# Altium PCB PCB_15122020_01BC.PcbDoc (part 3 of 9)
Units mm, origin at the board's own origin, x right, y up, seen from the top; angles counter-clockwise.
Board outline 207.9 x 131.1 mm, 4 copper layers (Top Layer, Layer 1, Layer 2, Bottom Layer), stack 1.57 mm thick; 684 components, 706 nets, 2796 pads, 1697 vias.
Unrouted connection lines stored in the file: 3.
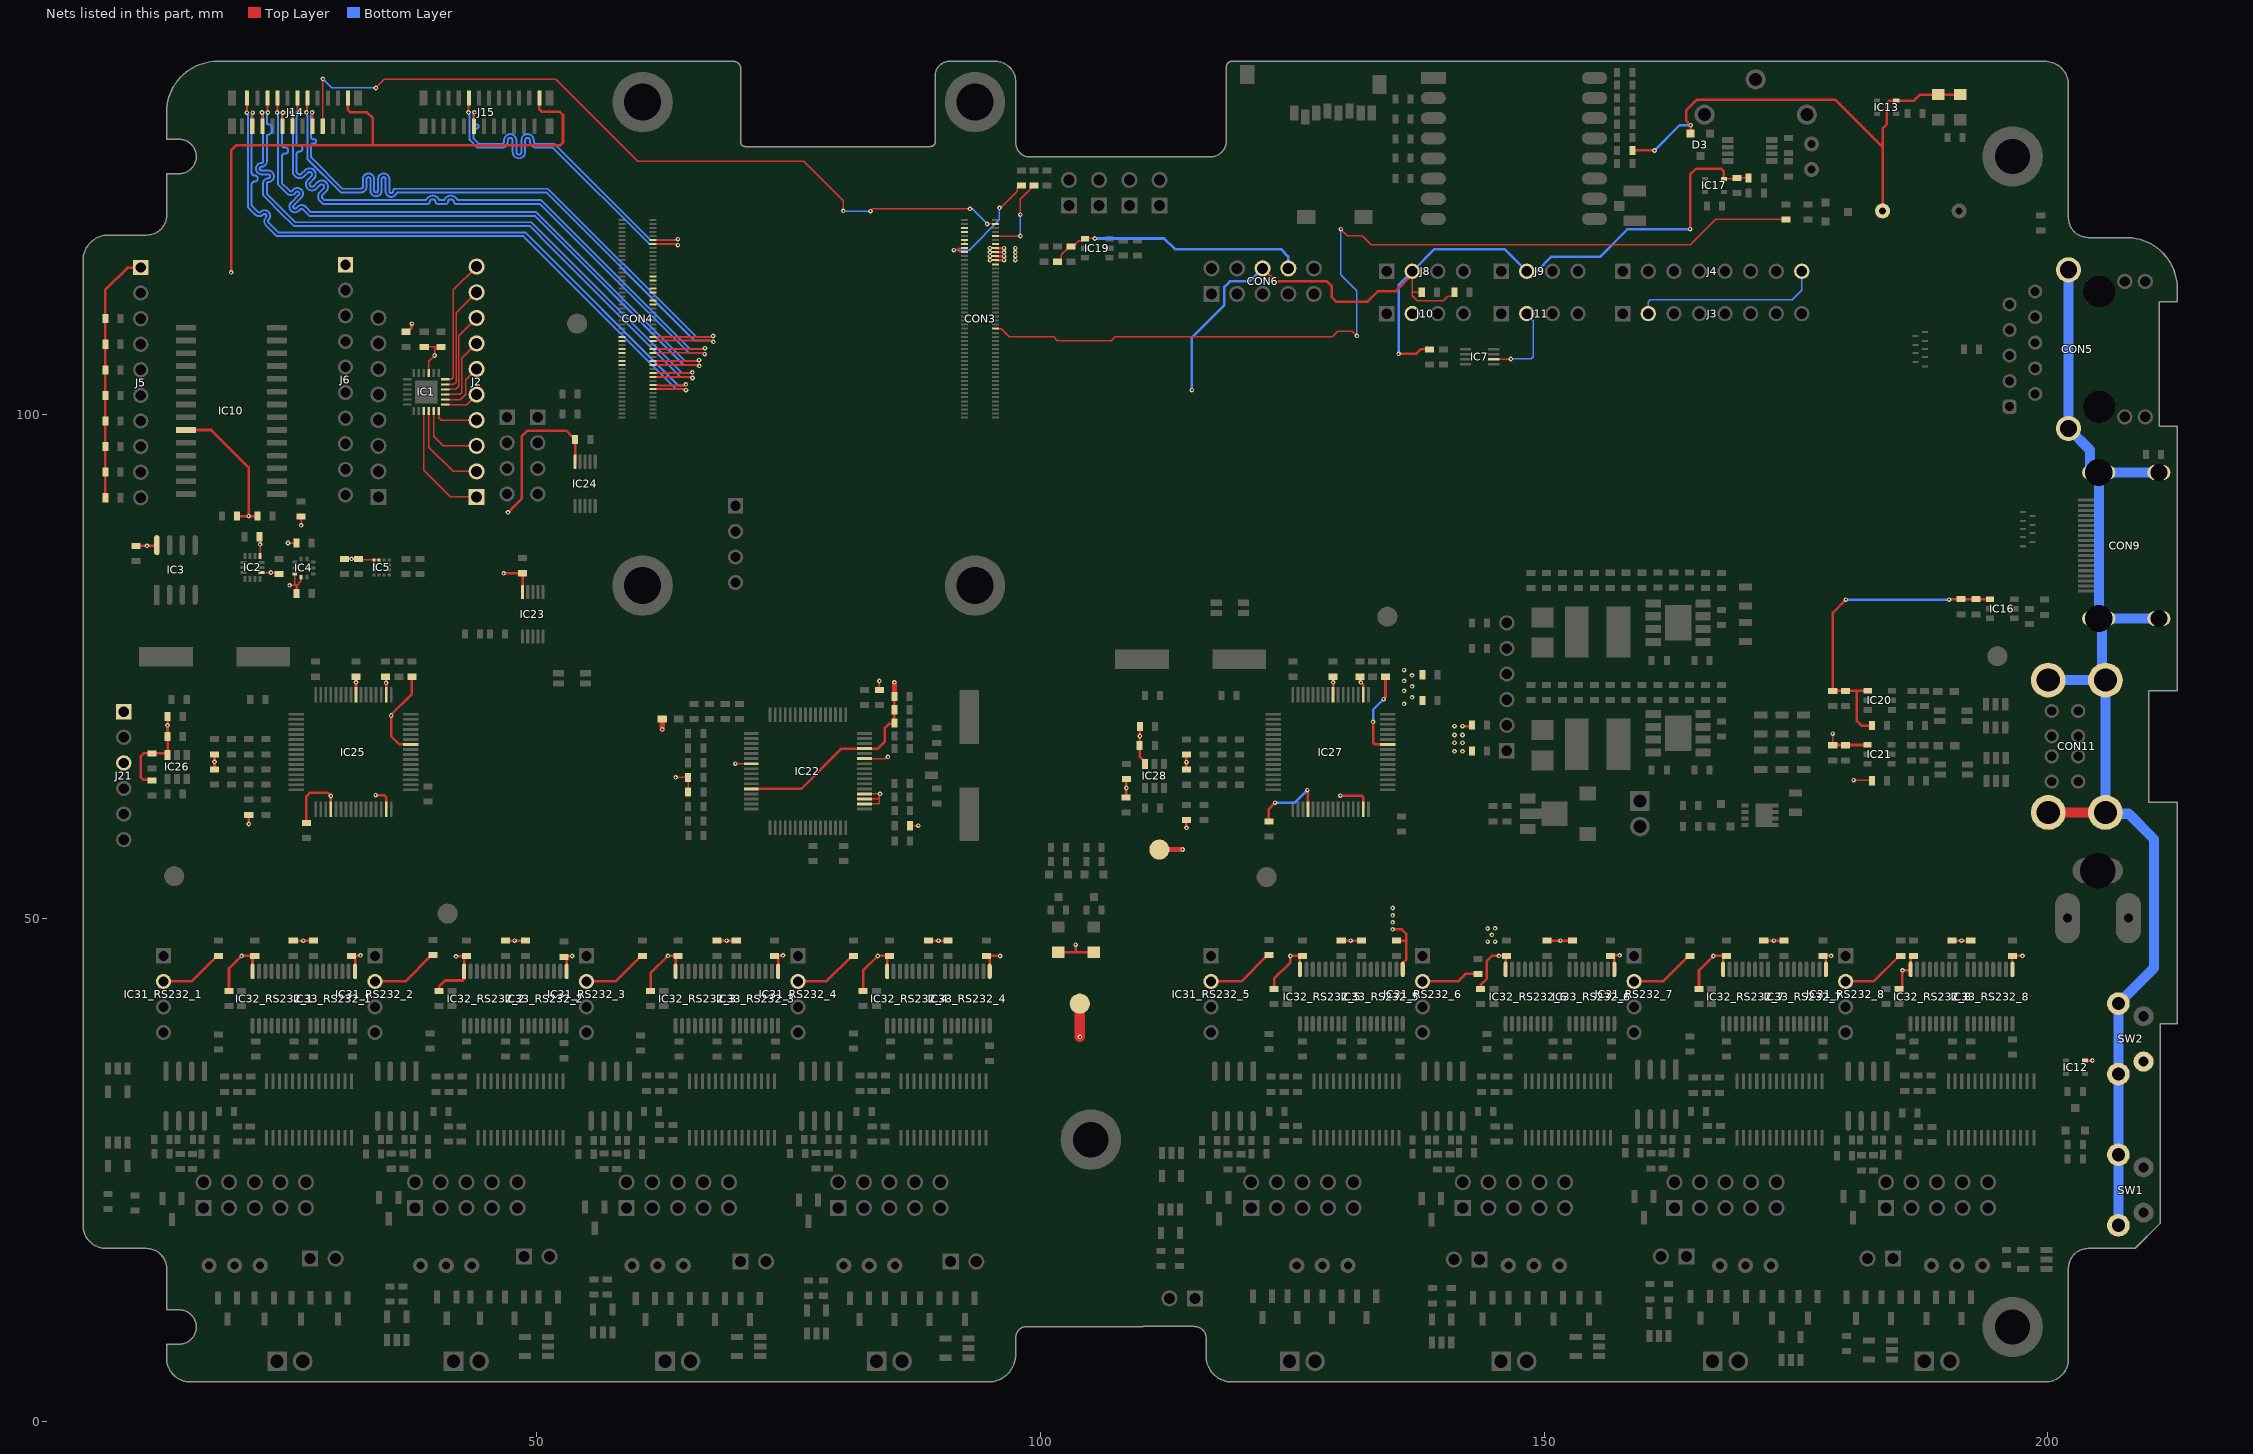
[diagram p5: the nets of this part, all layers, seen from the top]

## Part data (continued)
IC33_RS232_1 IC33_RS232_2 IC33_RS232_3 IC33_RS232_4 IC33_RS232_5 IC33_RS232_6 IC33_RS232_7 IC33_RS232_8: "General Purpose tal Isolator 1000Vrms 4 Channel 150Mbps 35kV/µs CMTI 16-SSOP (0.154 , 3.90mm Width)", Case/Package=SSOP, Isolated Power=No, Manufacturer="Silicon Labs", Max Operating Temperature=125°C, Min Operating Temperature=-40°C, Supplier Part Number 1=336-4939-1-ND, Category=Isolators, Channel Type=Unidirectional, ComponentLink1Description=https://datasheet.ciiva.com/48508/si864x-48508591.pdf?src-supplier=Avnet, ComponentLink1URL=https://datasheet.ciiva.com/48508/si864x-48508591.pdf?src-supplier=Avnet, Data Rate=150Mbps, Manufacturer Part Number=SI8641BA-C-IUR, Number of Channels=4, Number of Pins=16, Packaging="Tape and Reel", Pricing 1="1 = 1,64000, 25 = 1,57480, 100 = 1,55400 (USD)", Propagation Delay=13ns, Pulse Width Distortion (PWD)=4.5ns, RoHS=Yes, Stock 1=611, Supplier 1=Digi-Key, Type="General Purpose"
J1: "WR-PHD Pin Header, THT, pitch 2.54mm, Single Row, Vertical, 8pin", Color=Black, Contact Resistance=20mOhm, Manufacturer="Wurth Electronics", Operating Temperature="-40 to +105degC", Rated Current=3A, Supplier Part Number 1=732-5321-ND, Withstanding Voltage=500VAC, Working Voltage=250VAC, Category="Connectors, Interconnects Rectangular Connectors", ComponentLink1Description=Manufacturer, ComponentLink1URL=http://www.we-online.de, ComponentLink2Description=Datasheet, ComponentLink2URL=https://katalog.we-online.de/em/datasheet/6130xx11121.pdf, ComponentLink3Description=http://www.farnell.com/cad/1737268.pdf?src-supplier=Element14, ComponentLink3URL=http://www.farnell.com/cad/1737268.pdf?src-supplier=Element14, ComponentLink4Description=https://katalog.we-online.de/em/datasheet/6130xx11121.pdf?src-supplier=Digi-Key, ComponentLink4URL=https://katalog.we-online.de/em/datasheet/6130xx11121.pdf?src-supplier=Digi-Key, Connector Type="Male Pin", Contact Material=Copper, Contact Mating Length=0.236inch, Contact Plating=Gold, Gender=Male, Manufacturer Part Number=61300811121, Mount="Through Hole", Mounting Technology=THT, Number of Contacts=8, Number of Positions=8, Number of Rows=1, Orientation=Vertical, Packaging=Bag, Part Number=61300811121, Pin Number=8, Pitch=2.54mm, Pricing 1="1 = 0,37000, 10 = 0,31500, 25 = 0,26320, 50 = 0,21900, 100 = 0,19900, 1000 = 0,18100 (USD)", Published Date="June 2019", Publisher="Wurth Elektronik", REACH SVHC=Unknown, RoHS=Yes, Row Number=Single, Stock 1=15970, Supplier 1=Digi-Key, Termination=Solder
J2: "WURTH ELEKTRONIK - 61301011121 - Pin Header, Board-to-Board, 2.54 mm, 1 Rows, 10 Contacts, Through Hole, WR-PHD Series", Color=Black, Current Rating=3A, Flammability Rating="UL94 V-0", Insulation Resistance=1GR, Manufacturer="Wurth Electronics", Max Operating Temperature=125°C, Min Operating Temperature=-40°C, Package Quantity=1000, Supplier Part Number 1=732-2670-ND, Voltage Rating=250V, Category="Connectors, Interconnects Rectangular Connectors", ComponentLink1Description=https://datasheet.ciiva.com/738/6130xx11121-738550.pdf?src-supplier=Digi-Key, ComponentLink1URL=https://datasheet.ciiva.com/738/6130xx11121-738550.pdf?src-supplier=Digi-Key, ComponentLink2Description=https://datasheet.ciiva.com/7631/1442175-7631321.pdf?src-supplier=Element14, ComponentLink2URL=https://datasheet.ciiva.com/7631/1442175-7631321.pdf?src-supplier=Element14, ComponentLink3Description=https://datasheet.ciiva.com/48700/001088187-da-01-en-wr-phd-tht-stiftleiste-61301011121-48700876.pdf?src-supplier=Conrad, ComponentLink3URL=https://datasheet.ciiva.com/48700/001088187-da-01-en-wr-phd-tht-stiftleiste-61301011121-48700876.pdf?src-supplier=Conrad, Connector Type="Male Pin", Contact Gender=Male, Contact Material="Copper Alloy,Copper", Contact Mating Length=0.236inch, Contact Plating=Gold, Gender=Male, Height=11.54mm, Housing Material=PBT, Length=2.54mm, Manufacturer Part Number=61301011121, Mount="Through Hole", Number of Contacts=10, Number of Positions=10, Number of Rows=1, Orientation=Straight, Packaging=Bulk, Pitch=2.54mm, Pricing 1="1 = 0,89000, 10 = 0,87400, 50 = 0,80600, 100 = 0,73900, 200 = 0,67200 (USD)", REACH SVHC=Unknown, RoHS=Yes, Stock 1=2673, Supplier 1=Digi-Key, Termination=Solder, Width=25.4mm
J3 J4: "WR-PHD Socket Header, THT, pitch 2.54mm, Single Row, Vertical, 8pin", Contact Resistance=20mOhm, Manufacturer="Wurth Elektronik", Operating Temperature="-40 to +125degC", Rated Current=3A, Withstanding Voltage=500VAC, Working Voltage=250VAC, Category="Connectors, Interconnects Rectangular Connectors", ComponentLink1Description=Manufacturer, ComponentLink1URL=http://www.we-online.de, ComponentLink2Description=Datasheet, ComponentLink2URL=https://katalog.we-online.de/em/datasheet/6130xx11821.pdf, Gender=Female, Mounting Technology=THT, Orientation=Vertical, Packaging=Tray, Part Number=61300811821, Pin Number=8, Pitch=2.54mm, Published Date="June 2019", Publisher="Wurth Elektronik", Row Number=Single
J5 J6: "WR-PHD Socket Header, THT, pitch 2.54mm, Single Row, Vertical, 10pin", Contact Resistance=20mOhm, Manufacturer="Wurth Elektronik", Operating Temperature="-40 to +125degC", Rated Current=3A, Withstanding Voltage=500VAC, Working Voltage=250VAC, Category="Connectors, Interconnects Rectangular Connectors", ComponentLink1Description=Manufacturer, ComponentLink1URL=http://www.we-online.de, ComponentLink2Description=Datasheet, ComponentLink2URL=https://katalog.we-online.de/em/datasheet/6130xx11821.pdf, Gender=Female, Mounting Technology=THT, Orientation=Vertical, Packaging=Tray, Part Number=61301011821, Pin Number=10, Pitch=2.54mm, Published Date="June 2019", Publisher="Wurth Elektronik", Row Number=Single
J7 J21: "WR-PHD Socket Header, THT, pitch 2.54mm, Single Row, Vertical, 6pin", Contact Resistance=20mOhm, Manufacturer="Wurth Elektronik", Operating Temperature="-40 to +125degC", Rated Current=3A, Withstanding Voltage=500VAC, Working Voltage=250VAC, Category="Connectors, Interconnects Rectangular Connectors", ComponentLink1Description=Manufacturer, ComponentLink1URL=http://www.we-online.de, ComponentLink2Description=Datasheet, ComponentLink2URL=https://katalog.we-online.de/em/datasheet/6130xx11821.pdf, Gender=Female, Mounting Technology=THT, Orientation=Vertical, Packaging=Tray, Part Number=61300611821, Pin Number=6, Pitch=2.54mm, Published Date="June 2019", Publisher="Wurth Elektronik", Row Number=Single
J8 J9 J10 J11 J13 J20 J23: "WR-PHD Socket Header, THT, pitch 2.54mm, Single Row, Vertical, 4pin", Contact Resistance=20mOhm, Manufacturer="Wurth Electronics", Operating Temperature="-40 to +125degC", Rated Current=3A, Supplier Part Number 1=2827888, Withstanding Voltage=500VAC, Working Voltage=250VAC, Category="Connectors, Interconnects Rectangular Connectors", ComponentLink1Description=Manufacturer, ComponentLink1URL=http://www.we-online.de, ComponentLink2Description=Datasheet, ComponentLink2URL=https://katalog.we-online.de/em/datasheet/6130xx11821.pdf, Contact Material="Copper Alloy", Gender=Female, Manufacturer Part Number=61300411821, Mounting Technology=THT, Orientation=Vertical, Packaging=Tray, Part Number=61300411821, Pin Number=4, Pitch=2.54mm, Pricing 1="10 = 0,36400, 100 = 0,32400, 500 = 0,30300, 1000 = 0,29300, 2500 = 0,28300, 5000 = 0,27700 (EUR)", Published Date="June 2019", Publisher="Wurth Elektronik", RoHS=No, Row Number=Single, Stock 1=57, Supplier 1=Farnell
J12_RS232_1 J12_RS232_2 J12_RS232_3 J12_RS232_4 J12_RS232_5 J12_RS232_6 J12_RS232_7 J12_RS232_8 J16 J17 J18 J19: "WR-PHD Pin Header, THT, pitch 2.54mm, Single Row, Vertical, 2pin", Color=Black, Contact Resistance=20mOhm, Current Rating=3A, Manufacturer="Wurth Electronics", Max Operating Temperature=125°C, Min Operating Temperature=-40°C, Operating Temperature="-40 to +105degC", Supplier Part Number 1=732-5315-ND, Voltage Rating=250V, Withstanding Voltage=500VAC, Working Voltage=250VAC, Category="Connectors, Interconnects Rectangular Connectors", ComponentLink1Description=Manufacturer, ComponentLink1URL=http://www.we-online.de, ComponentLink2Description=Datasheet, ComponentLink2URL=https://katalog.we-online.de/em/datasheet/6130xx11121.pdf, ComponentLink3Description=https://datasheet.ciiva.com/13619/6130xx11121-48870-13619345.pdf?src-supplier=Mouser, ComponentLink3URL=https://datasheet.ciiva.com/13619/6130xx11121-48870-13619345.pdf?src-supplier=Mouser, Connector Type="Male Pin", Contact Gender=Male, Contact Material="Copper Alloy,Copper", Contact Mating Length=0.236inch, Contact Plating=Gold, Gender=Male, Housing Material=PBT, Lead Free="Lead Free", Manufacturer Part Number=61300211121, Mount="Through Hole", Mounting Technology=THT, Number of Contacts=2, Number of Positions=2, Number of Rows=1, Orientation=Vertical, Packaging=Bag, Part Number=61300211121, Pin Number=2, Pitch=2.54mm, Pricing 1="1 = 0,13000, 10 = 0,10600, 25 = 0,08800, 50 = 0,07400, 100 = 0,06700, 1000 = 0,06100 (USD)", Published Date="June 2019", Publisher="Wurth Elektronik", Rated Current=3A, REACH SVHC=Unknown, RoHS=Yes, Row Number=Single, Stock 1=150487, Supplier 1=Digi-Key, Termination="Through Hole"
J14 J15: "WR-FPC SMT ZIF Vertical, pitch 0.5mm, 22p", Contact Resistance=20mOhm, Manufacturer="Wurth Elektronik", Operating Temperature="-25 to +85degC", Rated Current=0.5A, Working Voltage=50VAC, Category="WR-FPC SMT ZIF Vertical, pitch 0.5mm, 22p", ComponentLink1Description=Manufacturer, ComponentLink1URL=http://www.we-online.de, ComponentLink2Description=Datasheet, ComponentLink2URL=https://katalog.we-online.com/em/datasheet/687322124422.pdf, Length=17.4mm, Mounting Technology=SMT, Packaging="Tape and Reel", Part Number=687322124422, Pin Number=22, Pitch=0.5mm, Published Date="November 2019", Publisher="Wurth Elektronik", Type=Vertical
L1 L2: "BOURNS - SRN6045TA-3R3Y - Power Inductor (SMD), 3.3 µH, 5 A, Semishielded, 7.8 A, SRN6045TA Series, 6mm x 6mm x 4.2mm", DC Resistance (DCR)=21mR, Inductance=3.3uH, Inductance Tolerance=30%, Manufacturer=Bourns, RMS Current (Irms)=5A, Saturation Current=7.8A, Supplier Part Number 1=SRN6045TA-3R3YCT-ND, Category="Inductors, Coils, Chokes Fixed Inductors", ComponentLink1Description=http://www.farnell.com/datasheets/2647414.pdf?src-supplier=Farnell, ComponentLink1URL=http://www.farnell.com/datasheets/2647414.pdf?src-supplier=Farnell, ComponentLink2Description=http://www.farnell.com/datasheets/2113223.pdf?src-supplier=Element14, ComponentLink2URL=http://www.farnell.com/datasheets/2113223.pdf?src-supplier=Element14, ComponentLink3Description=https://www.bourns.com/docs/Product-Datasheets/SRN6045TA.pdf?src-supplier=Digi-Key, ComponentLink3URL=https://www.bourns.com/docs/Product-Datasheets/SRN6045TA.pdf?src-supplier=Digi-Key, ComponentLink4Description=http://www.farnell.com/datasheets/2647414.pdf?src-supplier=Newark, ComponentLink4URL=http://www.farnell.com/datasheets/2647414.pdf?src-supplier=Newark, Manufacturer Part Number=SRN6045TA-3R3Y, Mount="Surface Mount", Packaging="Cut Tape", Pricing 1="1000 = 0,18970, 2000 = 0,17920, 2000 = 0,37000, 20000 = 0,34830, 200000 = 0,22370, 1000000 = 0,16230, 2000000 = 0,16190 (USD)", REACH SVHC="No SVHC", RoHS=No, Stock 1=3000, Supplier 1=Digi-Key
LED1 LED2 LED5 LED6: "LED RED CLEAR SMD", Case/Package=0805, Case Code (Metric)=2012, Color=Red, Forward Current=30mA, Forward Voltage=2V, Lens Color=Colorless, Manufacturer="Vishay Lite-On", Max Operating Temperature=85°C, Min Operating Temperature=-55°C, Package Quantity=3000, Power Dissipation=75mW, Reverse Voltage=5V, Supplier Part Number 1=160-1427-1-ND, Test Current=20mA, Case Code (Imperial)=0805, Category="LED Indication", ComponentLink1Description=https://datasheet.ciiva.com/12403/lite-on-ltst-c171krkt-187201-12403781.pdf?src-supplier=Mouser, ComponentLink1URL=https://datasheet.ciiva.com/12403/lite-on-ltst-c171krkt-187201-12403781.pdf?src-supplier=Mouser, ComponentLink2Description=https://datasheet.ciiva.com/11775/0900766b80dc0299-11775643.pdf?src-supplier=RSComponents, ComponentLink2URL=https://datasheet.ciiva.com/11775/0900766b80dc0299-11775643.pdf?src-supplier=RSComponents, ComponentLink3Description=https://datasheet.ciiva.com/16444/lite-on20ltst-c171krkt-16444779.pdf?src-supplier=Future+Electronics, ComponentLink3URL=https://datasheet.ciiva.com/16444/lite-on20ltst-c171krkt-16444779.pdf?src-supplier=Future+Electronics, ComponentLink4Description=https://datasheet.ciiva.com/2110/s-110-ltst-c171krkt-2110066.pdf?src-supplier=Digi-Key, ComponentLink4URL=https://datasheet.ciiva.com/2110/s-110-ltst-c171krkt-2110066.pdf?src-supplier=Digi-Key, ComponentLink5Description=https://datasheet.ciiva.com/2110/s-110-ltst-c171krkt-2110067.pdf?src-supplier=Digi-Key, ComponentLink5URL=https://datasheet.ciiva.com/2110/s-110-ltst-c171krkt-2110067.pdf?src-supplier=Digi-Key, ComponentLink6Description=https://datasheet.ciiva.com/2110/s-110-ltst-c171krkt-2110068.pdf?src-supplier=Digi-Key, ComponentLink6URL=https://datasheet.ciiva.com/2110/s-110-ltst-c171krkt-2110068.pdf?src-supplier=Digi-Key, Depth=1.25mm, Dominant Wavelength=631nm, Height=0.8mm, Illumination Color=Red, Lead Free="Lead Free", Length=2mm, Lens Style=Diffused, Lens Transparency=Clear, Luminous Intensity=54mcd, Manufacturer Part Number=LTST-C171KRKT, Mount="Surface Mount", Number of Elements=1, Number of LEDs=1, Number of Pins=2, Packaging="Tape and Reel", Power Rating=75mW, Pricing 1="1 = 0,31000, 10 = 0,22500, 25 = 0,16560, 100 = 0,11830, 250 = 0,08040, 500 = 0,07096, 1000 = 0,05558 (USD)", Radiation Hardening=No, RoHS=Yes, Stock 1=137075, Supplier 1=Digi-Key, Viewing Angle=130°, Wavelength=639nm, Width=1.25mm
LED3_RS232_1 LED3_RS232_2 LED3_RS232_3 LED3_RS232_4 LED3_RS232_5 LED3_RS232_6 LED3_RS232_7 LED3_RS232_8: "LED 3MM RED, GREEN R:30mcd, G:60mcd 40°", Manufacturer="STRONG BASE", Category=Led, Supplier 1=Özdisan, Supplier Part Number 1=3RG9HC-1
LOGO1: "ESD LOGO", Category=Logo
LOGO2: "Etiket kutu", Category=Logo
LOGO3: "CE LOGO"
"LOGO 5": "ROHS Logo"
Mech1 Mech2 Mech3 Mech4: "RND STNDFF M2.5X0.45 STEEL 1.5MM", Manufacturer="Wurth Electronics", Supplier Part Number 1=732-7068-1-ND, Category="Hardware, Fasteners, Accessories Board Spacers, Standoffs", ComponentLink1Description=http://www.mouser.com/ds/2/445/9774015151R-611426.pdf?src-supplier=Mouser, ComponentLink1URL=http://www.mouser.com/ds/2/445/9774015151R-611426.pdf?src-supplier=Mouser, ComponentLink2Description=http://www.farnell.com/datasheets/1960360.pdf?src-supplier=Farnell, ComponentLink2URL=http://www.farnell.com/datasheets/1960360.pdf?src-supplier=Farnell, ComponentLink3Description=https://media.digikey.com/pdf/Data%20Sheets/Wurth%20Electronics%20PDFs/WA-SMSx_Performance_Flyer.pdf?src-supplier=Digi-Key, ComponentLink3URL=https://media.digikey.com/pdf/Data%20Sheets/Wurth%20Electronics%20PDFs/WA-SMSx_Performance_Flyer.pdf?src-supplier=Digi-Key, ComponentLink4Description=http://www.farnell.com/datasheets/1960360.pdf?src-supplier=Element14, ComponentLink4URL=http://www.farnell.com/datasheets/1960360.pdf?src-supplier=Element14, ComponentLink5Description=http://www.farnell.com/datasheets/1960360.pdf?src-supplier=Newark, ComponentLink5URL=http://www.farnell.com/datasheets/1960360.pdf?src-supplier=Newark, Length=0.114inch, Manufacturer Part Number=9774015151R, Material=Steel, Outside Diameter=0.201inch, Plating=Tin, Pricing 1="1 = 1,09000, 10 = 1,03000, 50 = 0,91800, 100 = 0,84000, 500 = 0,78400 (USD)", REACH SVHC=Unknown, RoHS=Yes, Stock 1=20988, Supplier 1=Digi-Key, Threaded/Unthreaded=Threaded
Mech5 Mech6 Mech7 Mech8 Mech9 Mech10 Mech11 Mech12: "D-sub Conn, Plug, 9POS, Idc", Manufacturer="Würth Elektronik", Supplier Part Number 1=732-618009221823-ND, Category=Connector, ComponentLink1Description=http://datasheet.octopart.com/618009221823-W%C3%BCrth-Elektronik-datasheet-149524359.pdf?src-supplier=Farnell, ComponentLink1URL=http://datasheet.octopart.com/618009221823-W%C3%BCrth-Elektronik-datasheet-149524359.pdf?src-supplier=Farnell, Manufacturer Part Number=618009221823, Pricing 1="1 = 5,24000, 10 = 4,96900, 50 = 4,41300, 100 = 3,85000, 250 = 3,30200, 500 = 2,94200 (USD)", Stock 1=124, Supplier 1=Digi-Key
R1 R2 R3 R4 R5 R6 R7 R8 R9 R10 R14 R15 R16 R17 R18 R19 R20 R21 R22 R25 R28 R30 R34 R36 R45 R64 R68 R72 R76 R77 R79 R81 R83 R84 R85 R86 R92 R112 R113 R114 R115 R119 R120 R121 R122 R125: library part RT0603FRE0710KL, "10K OHM 1% 1/10W 0603", Case/Package=0603, Case Code (Metric)=1608, Manufacturer=Yageo, Max Operating Temperature=125°C, Max Power Dissipation=100mW, Min Operating Temperature=-55°C, Package Quantity=5000, Resistance=10kR, Resistor Type="Thin Film", Supplier Part Number 1=YAG2321CT-ND, Temperature Coefficient=50ppm/°C, Tolerance=1%, Voltage Rating=75V, Case Code (Imperial)=0603, Category=Resistor, ComponentLink1Description=https://datasheet.ciiva.com/2559/pyu-rt-1-to-0-05-rohs-l-5-2559482.pdf?src-supplier=Digi-Key, ComponentLink1URL=https://datasheet.ciiva.com/2559/pyu-rt-1-to-0-05-rohs-l-5-2559482.pdf?src-supplier=Digi-Key, ComponentLink2Description=https://datasheet.ciiva.com/16745/pyu-rt-1-to-0-05-rohs-l-4-16745739.pdf?src-supplier=Future+Electronics, ComponentLink2URL=https://datasheet.ciiva.com/16745/pyu-rt-1-to-0-05-rohs-l-4-16745739.pdf?src-supplier=Future+Electronics, ComponentLink3Description=https://datasheet.ciiva.com/12694/pyu-rt-1-to-0-05-rohs-l-4-12694910.pdf?src-supplier=Mouser, ComponentLink3URL=https://datasheet.ciiva.com/12694/pyu-rt-1-to-0-05-rohs-l-4-12694910.pdf?src-supplier=Mouser, Contact Plating=Tin,Lead, Depth=0.8mm, Features="Moisture Resistant", Height=0.022inch, Lead Free="Lead Free", Length=0.063inch, Manufacturer Part Number=RT0603FRE0710KL, Military Standard=Not, Number of Pins=2, Number of Terminations=2, Packaging="Tape and Reel", Power Rating=100mW, Pricing 1="1 = 0,10000, 10 = 0,05600, 100 = 0,02270, 1000 = 0,01020, 2500 = 0,00886 (USD)", REACH SVHC=Unknown, RoHS=Yes, Stock 1=326134, Supplier 1=Digi-Key, Termination=SMD/SMT, Voltage Rating (DC)=75V, Width=0.031inch
R11: library part RC0603FR-07200KL, "200K, %1, 1/10W, 0603", Case/Package=0603, Case Code (Metric)=1608, Manufacturer=Yageo, Max Operating Temperature=155°C, Max Power Dissipation=100mW, Min Operating Temperature=-55°C, Package Quantity=1, Resistance=200kR, Resistor Type="Thick Film", Supplier Part Number 1=311-200KHRCT-ND, Temperature Coefficient=100ppm/°C, Tolerance=1%, Voltage Rating=50V, Case Code (Imperial)=0603, Category=Resistor, ComponentLink1Description=https://datasheet.ciiva.com/2453/pyu-r-int-thick-7-2453958.pdf?src-supplier=Digi-Key, ComponentLink1URL=https://datasheet.ciiva.com/2453/pyu-r-int-thick-7-2453958.pdf?src-supplier=Digi-Key, ComponentLink2Description=https://datasheet.ciiva.com/2453/pyu-r-int-thick-7-2453959.pdf?src-supplier=Digi-Key, ComponentLink2URL=https://datasheet.ciiva.com/2453/pyu-r-int-thick-7-2453959.pdf?src-supplier=Digi-Key, ComponentLink3Description=https://datasheet.ciiva.com/2453/pyu-r-int-thick-7-2453960.pdf?src-supplier=Digi-Key, ComponentLink3URL=https://datasheet.ciiva.com/2453/pyu-r-int-thick-7-2453960.pdf?src-supplier=Digi-Key, Depth=0.8mm, Features="Moisture Resistant", Height=0.022inch, Lead Free="Lead Free", Length=1.6mm, Manufacturer Part Number=RC0603FR-07200KL, Military Standard=Not, Number of Pins=2, Number of Terminations=2, Packaging="Tape and Reel", Power Rating=100mW, Pricing 1="1 = 0,10000, 10 = 0,02100, 100 = 0,00840, 1000 = 0,00379, 2500 = 0,00329 (USD)", REACH SVHC="No SVHC", RoHS=Yes, Stock 1=1261743, Supplier 1=Digi-Key, Termination=SMD/SMT, Voltage Rating (DC)=50V, Width=0.031inch
R12 R13 R31 R94 R96 R104 R108: library part RC0603FR-072K2L, "2K2, 1%, 0.1W, 0603", Case/Package=0603, Case Code (Metric)=1608, Manufacturer=Yageo, Max Operating Temperature=155°C, Max Power Dissipation=100mW, Min Operating Temperature=-55°C, Package Quantity=1, Resistance=2.2kR, Resistor Type="Thick Film", Supplier Part Number 1=311-2.20KHRCT-ND, Temperature Coefficient=100ppm/°C, Tolerance=1%, Voltage Rating=50V, Case Code (Imperial)=0603, Category=Resistor, ComponentLink1Description=https://datasheet.ciiva.com/46440/1868787-46440902.pdf?src-supplier=Element14, ComponentLink1URL=https://datasheet.ciiva.com/46440/1868787-46440902.pdf?src-supplier=Element14, ComponentLink2Description=https://datasheet.ciiva.com/2453/pyu-r-int-thick-7-2453943.pdf?src-supplier=Digi-Key, ComponentLink2URL=https://datasheet.ciiva.com/2453/pyu-r-int-thick-7-2453943.pdf?src-supplier=Digi-Key, ComponentLink3Description=https://datasheet.ciiva.com/7660/1868787-7660791.pdf?src-supplier=Element14, ComponentLink3URL=https://datasheet.ciiva.com/7660/1868787-7660791.pdf?src-supplier=Element14, ComponentLink4Description=https://datasheet.ciiva.com/2453/pyu-r-int-thick-7-2453944.pdf?src-supplier=Digi-Key, ComponentLink4URL=https://datasheet.ciiva.com/2453/pyu-r-int-thick-7-2453944.pdf?src-supplier=Digi-Key, ComponentLink5Description=https://datasheet.ciiva.com/2453/pyu-r-int-thick-7-2453945.pdf?src-supplier=Digi-Key, ComponentLink5URL=https://datasheet.ciiva.com/2453/pyu-r-int-thick-7-2453945.pdf?src-supplier=Digi-Key, ComponentLink6Description=https://datasheet.ciiva.com/7746/1738695-7746315.pdf?src-supplier=Element14, ComponentLink6URL=https://datasheet.ciiva.com/7746/1738695-7746315.pdf?src-supplier=Element14, ComponentLink7Description=https://datasheet.ciiva.com/7746/1738695-7746316.pdf?src-supplier=Element14, ComponentLink7URL=https://datasheet.ciiva.com/7746/1738695-7746316.pdf?src-supplier=Element14, ComponentLink8Description=https://datasheet.ciiva.com/46394/443971-46394958.pdf?src-supplier=Element14, ComponentLink8URL=https://datasheet.ciiva.com/46394/443971-46394958.pdf?src-supplier=Element14, Depth=0.8mm, Features="Moisture Resistant", Height=0.022inch, Lead Free="Lead Free", Length=1.6mm, Manufacturer Part Number=RC0603FR-072K2L, Military Standard=Not, Number of Terminations=2, Packaging="Tape and Reel", Power Rating=100mW, Pricing 1="1 = 0,100000, 10 = 0,021000, 100 = 0,008400, 1000 = 0,003790, 2500 = 0,003290 (USD)", REACH SVHC="No SVHC", RoHS=Yes, Stock 1=5062372, Supplier 1=Digi-Key, Termination=SMD/SMT, Width=0.031inch
R23: library part RC0603FR-0712KL, "12K ,%1 ,1/10 W ,0603", Case/Package=0603, Case Code (Metric)=1608, Manufacturer=Yageo, Max Operating Temperature=155°C, Max Power Dissipation=100mW, Min Operating Temperature=-55°C, Package Quantity=1, Resistance=12kR, Resistor Type="Thick Film", Supplier Part Number 1=311-12.0KHRCT-ND, Temperature Coefficient=100ppm/°C, Tolerance=1%, Voltage Rating=50V, Case Code (Imperial)=0603, Category=Resistor, Depth=0.8mm, Features="Moisture Resistant", Height=0.022inch, Lead Free="Lead Free", Length=0.063inch, Manufacturer Part Number=RC0603FR-0712KL, Military Standard=Not, Number of Pins=2, Number of Terminations=2, Packaging="Tape and Reel", Power Rating=100mW, Pricing 1="1 = 0,10000, 10 = 0,02100, 100 = 0,00840, 1000 = 0,00379, 2500 = 0,00329 (USD)", REACH SVHC="No SVHC", RoHS=Yes, Stock 1=979649, Supplier 1=Digi-Key, Termination=SMD/SMT, Voltage Rating (DC)=50V, Width=0.031inch
R24 R38 R39 R47 R48: library part RC0603FR-071KL, "1K ,%1 ,1/10 W ,0603", Case/Package=0603, Case Code (Metric)=1608, Manufacturer=Yageo, Max Operating Temperature=155°C, Min Operating Temperature=-55°C, Power Rating=100mW, Resistance=1kR, Resistor Type="Thick Film", Supplier Part Number 1=311-1.00KHRCT-ND, Temperature Coefficient=100ppm/°C, Tolerance=1%, Voltage Rating=50V, Case Code (Imperial)=0603, Category=Resistor, ComponentLink1Description=https://datasheet.ciiva.com/11808/0900766b80f96399-11808081.pdf?src-supplier=RSComponents, ComponentLink1URL=https://datasheet.ciiva.com/11808/0900766b80f96399-11808081.pdf?src-supplier=RSComponents, ComponentLink2Description=https://datasheet.ciiva.com/25906/pyu-rc0603-51-rohs-l-4-25906933.pdf?src-supplier=Avnet+Europe, ComponentLink2URL=https://datasheet.ciiva.com/25906/pyu-rc0603-51-rohs-l-4-25906933.pdf?src-supplier=Avnet+Europe, ComponentLink3Description=https://datasheet.ciiva.com/7660/1868787-7660790.pdf?src-supplier=Element14, ComponentLink3URL=https://datasheet.ciiva.com/7660/1868787-7660790.pdf?src-supplier=Element14, ComponentLink4Description=https://datasheet.ciiva.com/7746/1738695-7746279.pdf?src-supplier=Element14, ComponentLink4URL=https://datasheet.ciiva.com/7746/1738695-7746279.pdf?src-supplier=Element14, ComponentLink5Description=https://datasheet.ciiva.com/7746/1686128-7746280.pdf?src-supplier=Element14, ComponentLink5URL=https://datasheet.ciiva.com/7746/1686128-7746280.pdf?src-supplier=Element14, ComponentLink6Description=https://datasheet.ciiva.com/28386/pyu-rc0603-51-rohs-l-4-28386648.pdf?src-supplier=Avnet+Europe, ComponentLink6URL=https://datasheet.ciiva.com/28386/pyu-rc0603-51-rohs-l-4-28386648.pdf?src-supplier=Avnet+Europe, ComponentLink7Description=https://datasheet.ciiva.com/7746/1738695-7746281.pdf?src-supplier=Element14, ComponentLink7URL=https://datasheet.ciiva.com/7746/1738695-7746281.pdf?src-supplier=Element14, ComponentLink8Description=https://datasheet.ciiva.com/8896/pyu-rc0603-51-rohs-l-4-8896106.pdf?src-supplier=Avnet, ComponentLink8URL=https://datasheet.ciiva.com/8896/pyu-rc0603-51-rohs-l-4-8896106.pdf?src-supplier=Avnet, ComponentLink9Description=https://datasheet.ciiva.com/15189/getdatasheetpartid-404327-15189644.pdf?src-supplier=Verical, ComponentLink9URL=https://datasheet.ciiva.com/15189/getdatasheetpartid-404327-15189644.pdf?src-supplier=Verical, ComponentLink10Description=https://datasheet.ciiva.com/7983/443971-7983613.pdf?src-supplier=Element14, ComponentLink10URL=https://datasheet.ciiva.com/7983/443971-7983613.pdf?src-supplier=Element14, Contact Plating=Tin,Matte, Depth=0.8mm, Height=0.45mm, Lead Free="Lead Free", Length=1.6mm, Manufacturer Part Number=RC0603FR-071KL, Military Standard=Not, Packaging="Tape and Reel", Pricing 1="1 = 0,10000, 10 = 0,02100, 100 = 0,00840, 1000 = 0,00379, 2500 = 0,00329 (USD)", Radiation Hardening=No, REACH SVHC="No SVHC", RoHS=Yes, Stock 1=29851447, Supplier 1=Digi-Key, Termination=SMD/SMT
R26 R32 R66_RS232_1 R66_RS232_2 R66_RS232_3 R66_RS232_4 R66_RS232_5 R66_RS232_6 R66_RS232_7 R66_RS232_8 R67_RS232_1 R67_RS232_2 R67_RS232_3 R67_RS232_4 R67_RS232_5 R67_RS232_6 R67_RS232_7 R67_RS232_8: library part RC0603FR-0710RL, "10R, 1%, 1/10W, 0603", Case/Package=0603, Case Code (Metric)=1608, Manufacturer=Yageo, Max Operating Temperature=155°C, Min Operating Temperature=-55°C, Power Rating=100mW, Resistor Type="Thick Film", Supplier Part Number 1=311-10.0HRCT-ND, Temperature Coefficient=200ppm/°C, Tolerance=1%, Voltage Rating=50V, Case Code (Imperial)=0603, Category=Resistor, ComponentLink1Description=https://datasheet.ciiva.com/11808/0900766b80f96399-11808140.pdf?src-supplier=RSComponents, ComponentLink1URL=https://datasheet.ciiva.com/11808/0900766b80f96399-11808140.pdf?src-supplier=RSComponents, ComponentLink2Description=https://datasheet.ciiva.com/7746/443971-7746245.pdf?src-supplier=Element14, ComponentLink2URL=https://datasheet.ciiva.com/7746/443971-7746245.pdf?src-supplier=Element14, ComponentLink3Description=https://datasheet.ciiva.com/8891/pyu-rc0603-51-rohs-l-4-8891285.pdf?src-supplier=Avnet, ComponentLink3URL=https://datasheet.ciiva.com/8891/pyu-rc0603-51-rohs-l-4-8891285.pdf?src-supplier=Avnet, ComponentLink4Description=https://datasheet.ciiva.com/28386/pyu-rc0603-51-rohs-l-4-28386637.pdf?src-supplier=Avnet+Europe, ComponentLink4URL=https://datasheet.ciiva.com/28386/pyu-rc0603-51-rohs-l-4-28386637.pdf?src-supplier=Avnet+Europe, Contact Plating=Tin,Matte, Depth=0.8mm, Height=0.45mm, Lead Free="Lead Free", Length=1.6mm, Manufacturer Part Number=RC0603FR-0710RL, Military Standard=Not, Number of Pins=2, Packaging="Tape and Reel", Pricing 1="1 = 0,10000, 10 = 0,04100, 100 = 0,01690, 1000 = 0,00758, 2500 = 0,00658 (USD)", Radiation Hardening=No, REACH SVHC="No SVHC", Resistance=10R, RoHS=Yes, Stock 1=7663236, Supplier 1=Digi-Key, Termination=SMD/SMT, Voltage Rating (DC)=50V, Width=0.8mm
R27 R106 R111 R118: library part RC0603FR-0712KL, "12 kohm, 0603, 75 V, 1/10 W", Case/Package=0603, Case Code (Metric)=1608, Manufacturer=Yageo, Max Operating Temperature=155°C, Max Power Dissipation=100mW, Min Operating Temperature=-55°C, Package Quantity=1, Resistance=12kR, Resistor Type="Thick Film", Supplier Part Number 1=311-12.0KHRCT-ND, Temperature Coefficient=100ppm/°C, Tolerance=1%, Voltage Rating=50V, Case Code (Imperial)=0603, Category=Resistor, Depth=0.8mm, Features="Moisture Resistant", Height=0.022inch, Lead Free="Lead Free", Length=0.063inch, Manufacturer Part Number=RC0603FR-0712KL, Military Standard=Not, Number of Pins=2, Number of Terminations=2, Packaging="Tape and Reel", Power Rating=100mW, Pricing 1="1 = 0,10000, 10 = 0,02100, 100 = 0,00840, 1000 = 0,00379, 2500 = 0,00329 (USD)", REACH SVHC="No SVHC", RoHS=Yes, Stock 1=979649, Supplier 1=Digi-Key, Termination=SMD/SMT, Voltage Rating (DC)=50V, Width=0.031inch
R29 R35: library part RC0603FR-0720KL, "20K ,%1 ,1/10 W ,0603", Case/Package=0603, Case Code (Metric)=1608, Manufacturer=Yageo, Max Operating Temperature=155°C, Max Power Dissipation=100mW, Min Operating Temperature=-55°C, Package Quantity=1, Resistance=20kR, Resistor Type="Thick Film", Supplier Part Number 1=311-20.0KHRCT-ND, Temperature Coefficient=100ppm/°C, Tolerance=1%, Voltage Rating=50V, Case Code (Imperial)=0603, Category=Resistor, ComponentLink1Description=https://datasheet.ciiva.com/11808/0900766b80f96399-11808275.pdf?src-supplier=RSComponents, ComponentLink1URL=https://datasheet.ciiva.com/11808/0900766b80f96399-11808275.pdf?src-supplier=RSComponents, ComponentLink2Description=https://datasheet.ciiva.com/22747/443971-22747525.pdf?src-supplier=Element14, ComponentLink2URL=https://datasheet.ciiva.com/22747/443971-22747525.pdf?src-supplier=Element14, ComponentLink3Description=https://datasheet.ciiva.com/2453/pyu-r-int-thick-7-2453910.pdf?src-supplier=Digi-Key, ComponentLink3URL=https://datasheet.ciiva.com/2453/pyu-r-int-thick-7-2453910.pdf?src-supplier=Digi-Key, ComponentLink4Description=https://datasheet.ciiva.com/2453/pyu-r-int-thick-7-2453911.pdf?src-supplier=Digi-Key, ComponentLink4URL=https://datasheet.ciiva.com/2453/pyu-r-int-thick-7-2453911.pdf?src-supplier=Digi-Key, ComponentLink5Description=https://datasheet.ciiva.com/2453/pyu-r-int-thick-7-2453912.pdf?src-supplier=Digi-Key, ComponentLink5URL=https://datasheet.ciiva.com/2453/pyu-r-int-thick-7-2453912.pdf?src-supplier=Digi-Key, Depth=0.8mm, Features="Moisture Resistant", Height=0.022inch, Lead Free="Lead Free", Length=0.063inch, Manufacturer Part Number=RC0603FR-0720KL, Military Standard=Not, Number of Pins=2, Number of Terminations=2, Packaging="Tape and Reel", Power Rating=100mW, Pricing 1="1 = 0,10000, 10 = 0,02100, 100 = 0,00840, 1000 = 0,00379, 2500 = 0,00329 (USD)", REACH SVHC="No SVHC", RoHS=Yes, Stock 1=4513947, Supplier 1=Digi-Key, Termination=SMD/SMT, Voltage Rating (DC)=50V, Width=0.031inch
R33 R58 R59 R60 R80 R98 R99 R123 R124: library part RC0603FR-0747KL, "47K, 50V, 1/10W, 1%, 0603", Case/Package=0603, Case Code (Metric)=1608, Manufacturer=Yageo, Max Operating Temperature=155°C, Max Power Dissipation=100mW, Min Operating Temperature=-55°C, Package Quantity=1, Resistance=47kR, Resistor Type="Thick Film", Supplier Part Number 1=311-47.0KHRCT-ND, Temperature Coefficient=100ppm/°C, Tolerance=1%, Voltage Rating=50V, Case Code (Imperial)=0603, Category=Resistor, ComponentLink1Description=https://datasheet.ciiva.com/11808/0900766b80f96399-11808118.pdf?src-supplier=RSComponents, ComponentLink1URL=https://datasheet.ciiva.com/11808/0900766b80f96399-11808118.pdf?src-supplier=RSComponents, ComponentLink2Description=https://datasheet.ciiva.com/7746/443971-7746361.pdf?src-supplier=Element14, ComponentLink2URL=https://datasheet.ciiva.com/7746/443971-7746361.pdf?src-supplier=Element14, ComponentLink3Description=https://datasheet.ciiva.com/7746/443971-7746362.pdf?src-supplier=Element14, ComponentLink3URL=https://datasheet.ciiva.com/7746/443971-7746362.pdf?src-supplier=Element14, ComponentLink4Description=https://datasheet.ciiva.com/2453/pyu-r-int-thick-7-2453931.pdf?src-supplier=Digi-Key, ComponentLink4URL=https://datasheet.ciiva.com/2453/pyu-r-int-thick-7-2453931.pdf?src-supplier=Digi-Key, ComponentLink5Description=https://datasheet.ciiva.com/2453/pyu-r-int-thick-7-2453932.pdf?src-supplier=Digi-Key, ComponentLink5URL=https://datasheet.ciiva.com/2453/pyu-r-int-thick-7-2453932.pdf?src-supplier=Digi-Key, ComponentLink6Description=https://datasheet.ciiva.com/2453/pyu-r-int-thick-7-2453933.pdf?src-supplier=Digi-Key, ComponentLink6URL=https://datasheet.ciiva.com/2453/pyu-r-int-thick-7-2453933.pdf?src-supplier=Digi-Key, Depth=0.8mm, Features="Moisture Resistant", Height=0.022inch, Lead Free="Lead Free", Length=1.6mm, Manufacturer Part Number=RC0603FR-0747KL, Military Standard=Not, Number of Pins=2, Number of Terminations=2, Packaging="Tape and Reel", Power Rating=100mW, Pricing 1="1 = 0,10000, 10 = 0,02100, 100 = 0,00840, 1000 = 0,00379, 2500 = 0,00329 (USD)", REACH SVHC=Unknown, RoHS=Yes, Stock 1=4802381, Supplier 1=Digi-Key, Termination=SMD/SMT, Voltage Rating (DC)=50V, Width=0.031inch
R37: library part RC0603FR-0715KL, "15K, 1%, 1/10W, 0603", Case/Package=0603, Case Code (Metric)=1608, Manufacturer=Yageo, Max Operating Temperature=155°C, Max Power Dissipation=100mW, Min Operating Temperature=-55°C, Package Quantity=1, Resistance=15kR, Resistor Type="Thick Film", Supplier Part Number 1=311-15.0KHRDKR-ND, Temperature Coefficient=100ppm/°C, Tolerance=1%, Voltage Rating=50V, Case Code (Imperial)=0603, Category=Resistor, Depth=0.8mm, Features="Moisture Resistant", Height=0.022inch, Lead Free="Lead Free", Length=1.6mm, Manufacturer Part Number=RC0603FR-0715KL, Military Standard=Not, Number of Pins=2, Number of Terminations=2, Packaging="Tape and Reel", Power Rating=100mW, Pricing 1="1 = 0,10000, 10 = 0,02100, 100 = 0,00840, 1000 = 0,00379, 2500 = 0,00329 (USD)", REACH SVHC=Unknown, RoHS=Yes, Stock 1=2021619, Supplier 1=Digi-Key, Termination=SMD/SMT, Voltage Rating (DC)=50V, Width=0.031inch